# KiCad board Pico Debugger.kicad_pcb (continued)
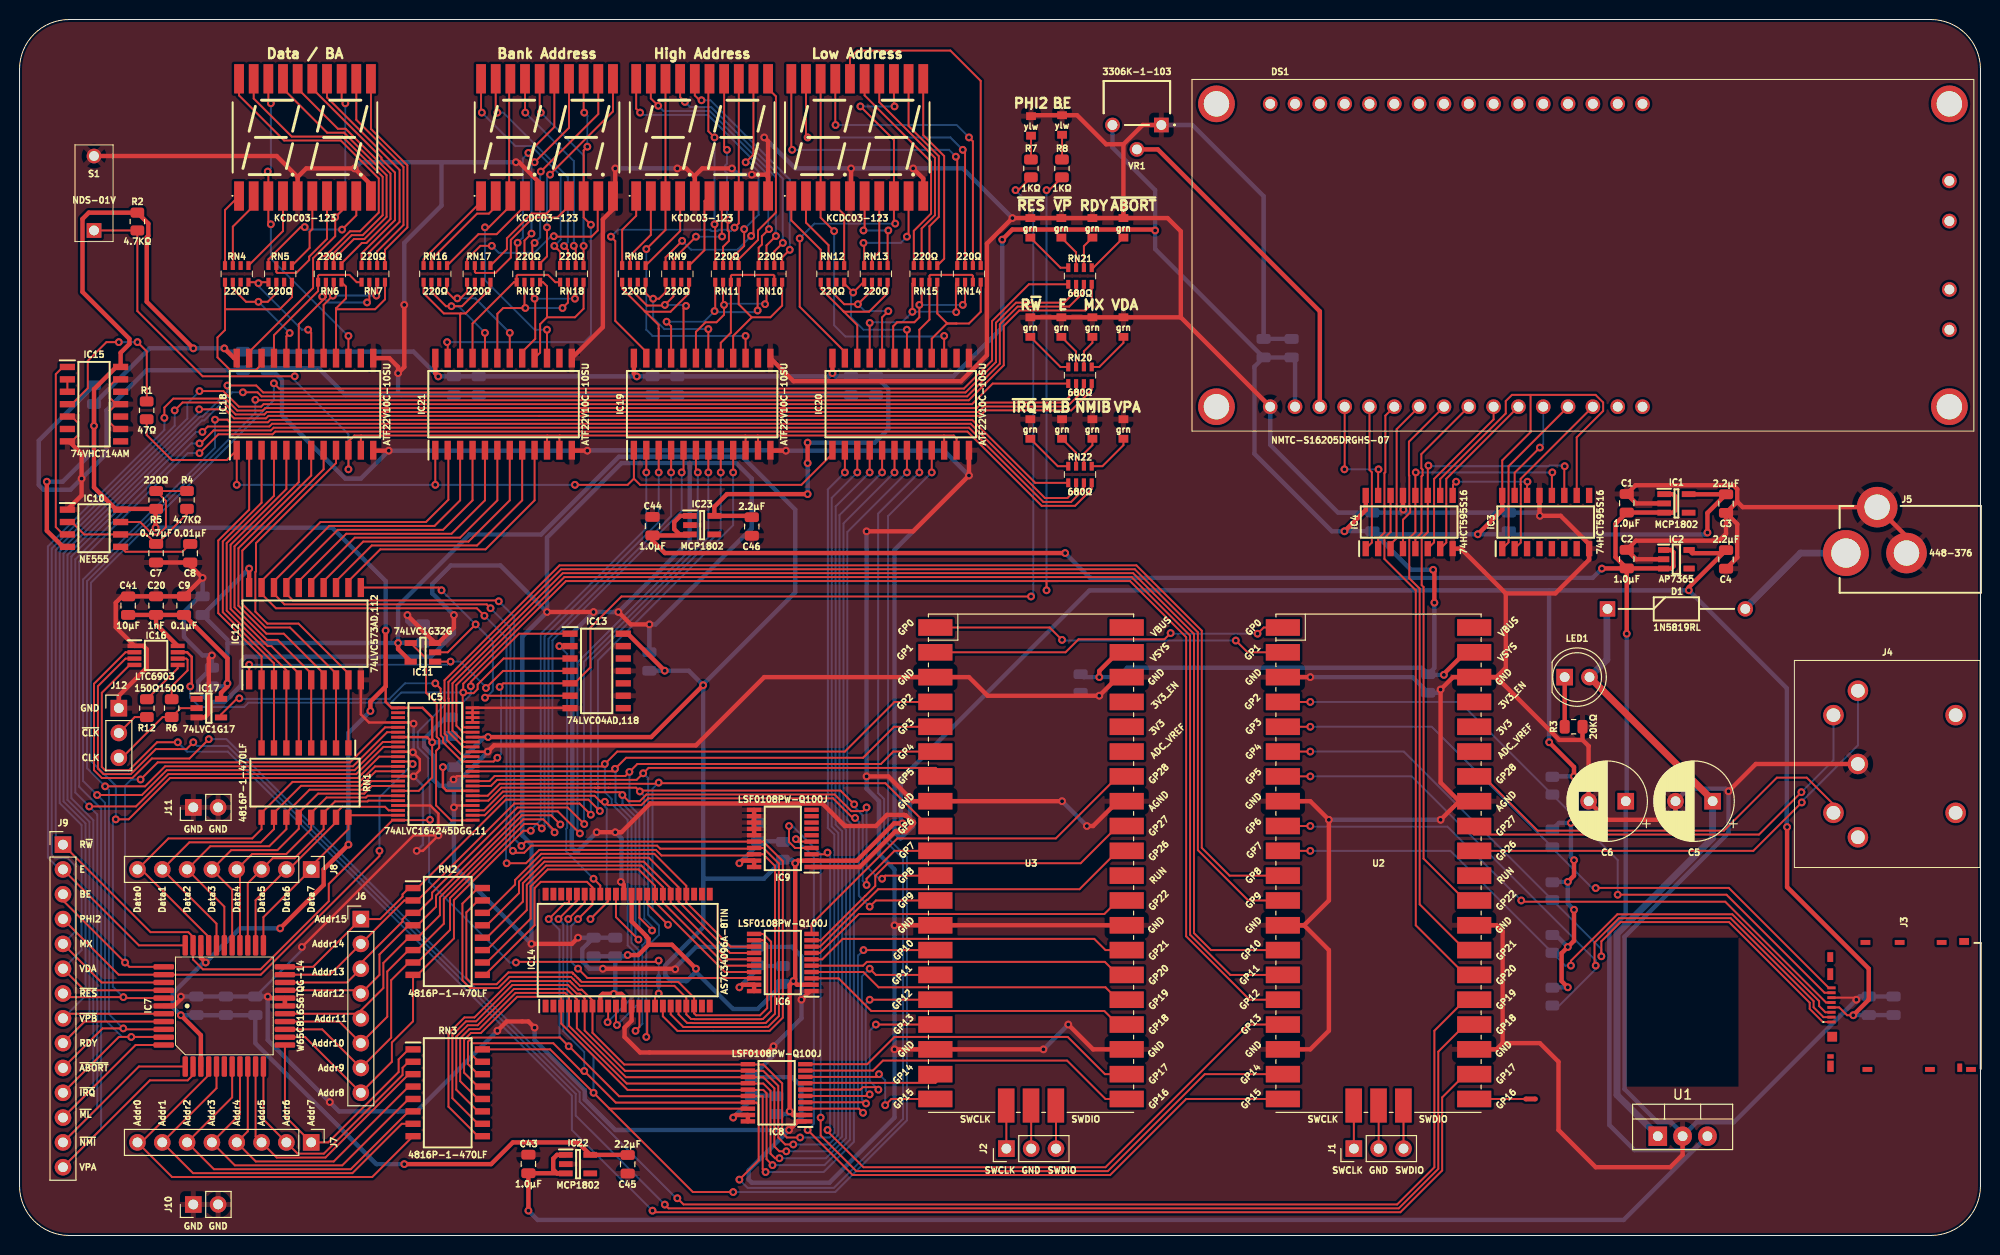
[diagram p0: board, top side]
## Routing (per net, layer and track width the routed paths; a pad name or vN(x,y) marks a point on that pad's centre or on a via; arc(x,y) is an arc through that point) (continued)
  Bottom w0.2: v1(158.12,78.74) 158.05,78.8 156.56,78.8 156.49,78.74 144.24,78.74 v1(144.17,78.8)
/LCD Store Clock: length 67.9
  Top w0.2: U2.27 143.27,33.89 143.27,66.21 142.21,67.27 142.21,71.37 142.83,72 IC4.12 142.83,78.07 v1(142.88,78.11) ; IC3.12 156.81,78.07 v1(156.85,78.11)
  Bottom w0.2: v1(142.88,78.11) v1(156.85,78.11)
/Low Address Display/Digit 0 A Seg: length 14
  Top w0.2: RN14.7 97.55,98.23 97.46,98.32 93.21,98.32 93.11,98.23 RN15.7 93.11,93.75 92.08,92.71 IC20.17
/Low Address Display/Digit 0 B Seg: length 16.8
  Top w0.2: 95.89,93.35 94.93,93.35 93.91,94.37 RN15.8 ; 95.89,93.35 94.9,93.35 93.35,91.79 IC20.16 ; 95.89,93.35 97.15,93.35 98.36,94.55 98.36,97.58
/Low Address Display/Digit 0 C Seg: length 14.6
  Top w0.2: 86.36,97.58 v1(85.3,96.52) 84.39,97.44 ; IC20.18 v1(90.8,92.71)
  Bottom w0.2: v1(90.8,92.71) 86.36,92.71 85.09,93.98 85.09,96.31 v1(85.3,96.52)
/Low Address Display/Digit 0 D Seg: length 15.6
  Top w0.2: IC20.20 88.27,93.98 v1(88.9,94.62) ; RN13.2 87.23,96.76 v1(85.79,95.32) 84.39,95.32 82.78,96.93 RN12.2
  Bottom w0.2: v1(88.9,94.62) 86.5,94.62 v1(85.79,95.32)
/Low Address Display/Digit 0 E Seg: length 15.8
  Top w0.2: RN13.4 88.83,96.45 86.93,94.55 84.36,94.55 84.3,94.62 ; 84.3,94.62 85.72,93.19 85.72,89.8 ; 84.3,94.62 81.98,96.93 RN12.1
/Low Address Display/Digit 0 F Seg: length 16.7
  Top w0.2: 96.76,97.58 96.76,95.49 v1(96.52,95.25) ; RN15.6 92.31,95.49 v1(92.08,95.25) 92.08,93.98 91.57,93.47 89.81,93.47 89.4,93.06 89.4,89.94
  Bottom w0.2: v1(92.08,95.25) v1(96.52,95.25)
/Low Address Display/Digit 0 G Seg: length 19.2
  Top w0.2: RN15.5 91.37,97.43 v1(91.37,94.54) ; IC20.21 v1(87,93.41) ; v1(95.85,94.51) 95.82,94.54 95.82,97.44 RN14.5
  Bottom w0.2: v1(95.85,94.51) 95.81,94.55 91.38,94.55 v1(91.37,94.54) 90.3,93.47 87.06,93.47 v1(87,93.41)
/Low Address Display/Digit L0 Cathode: length 39.8
  Top w0.2: IC20.15 v1(94.61,92.08) ; DS4.18 DS4.3 81.97,104.19 v1(83.36,102.81)
  Bottom w0.2: v1(94.61,92.08) 94.55,92.01 84.52,92.01 83.36,93.17 v1(83.36,102.81)
/Low Address Display/Digit R0 Cathode: length 43.8
  Top w0.2: 84.45,90.44 79.83,95.06 v1(79.83,102.06) ; DS4.13 89.48,115.63 v1(89.54,115.57) ; v1(89.61,103.58) 89.48,103.71 DS4.8 89.48,112.14 v1(86.04,115.57)
  Bottom w0.2: v1(79.83,102.06) 81.34,103.57 89.47,103.57 89.54,103.51 v1(89.61,103.58) ; v1(89.54,115.57) v1(86.04,115.57)
/MX: length 169.6
  Top w0.2: v1(15.88,84.46) 16.68,85.26 20.89,85.26 22.11,84.04 25.05,84.04 25.31,84.29 61.94,84.29 98.12,84.29 98.68,84.85 107.22,84.85 108.92,86.55 RN20.3 ; J9.5 8.39,25.9 14.76,25.9
  Bottom w0.2: J9.5 5.71,31.12 5.71,37.82 4.92,38.61 3.61,38.61 3.3,38.93 3.3,70.31 15.88,82.89 v1(15.88,84.46)
/PHI2: length 148.7
  Top w0.2: v1(22.49,54.98) 22.28,54.98 20.62,53.32 IC17.4 ; v1(48.89,48.9) 48.51,48.51 IC5.37 45.3,48.51 43.34,50.47 43.34,50.95 43.1,51.19 43.1,54.61 43.09,54.63 43.09,55.97 v1(42.55,56.52) ; 56.78,56.52 58.42,58.16 58.42,62.23 61.59,65.41 v1(103.51,65.41) ; 103.51,108.3 102.2,107 v1(101.92,107) ; IC13.5 49.49,56.52 v1(49.13,56.15)
  Bottom w0.2: v1(42.55,56.52) 39.44,56.52 37.85,54.93 22.54,54.93 v1(22.49,54.98) ; v1(103.51,65.41) 103.74,65.64 103.74,105.17 v1(101.92,107) ; v1(49.13,56.15) 49.28,56 49.28,49.28 v1(48.89,48.9)
/PHI2_{W65}: length 52.2
  Top w0.2: v1(40.23,48.26) 39.98,48.51 IC5.12 ; J9.4 10.13,26.7 24.69,26.7 36.83,38.84 v1(36.83,39.37)
  Bottom w0.2: v1(36.83,39.37) 36.83,44.86 v1(40.23,48.26)
/Q7S: length 10.2
  Top w0.2: v1(154.31,77.15) 154.26,77.11 IC3.14 ; v1(147,77.15) 146.69,76.84 146.69,75.79
  Bottom w0.2: v1(154.31,77.15) v1(147,77.15)
/RDY: length 181.9
  Top w0.2: v1(22.85,86.3) 24.35,86.3 24.77,85.89 96.97,85.89 100.32,89.24 100.32,93.26 102.13,95.08 107.41,95.08 108.92,96.59 RN21.3 ; 14.76,21.9 6.66,21.9 J9.9
  Bottom w0.2: v1(22.85,86.3) 21.78,86.3 18.9,83.42 18.67,83.42 4.91,69.66 4.91,44.58 7.15,42.34 7.15,22.39 J9.9
/R~{W}: length 257.5
  Top w0.2: v1(42,42.55) 41.96,42.51 IC5.24 ; RN20.1 99.58,87.2 97.47,85.09 24.98,85.09 24.72,84.84 22.44,84.84 20.85,86.43 v1(18.41,86.43) ; IC13.1 51.1,61.6 46.18,56.67 v1(46.18,56.21) ; J9.1 13.41,31.04 17.27,31.04 17.76,30.56 ; 38.17,42.51 31.64,35.98 31.64,34.22 24.67,27.24 18.76,27.24 17.76,28.25 17.76,29.7 ; v1(65.4,28.13) 65.27,28 57.44,28 57.44,28.01 50.87,28.01 v1(50.8,27.94)
  Bottom w0.2: v1(46.18,56.21) 46.18,55.38 46.1,55.31 46.1,55.29 45.69,54.88 45.67,54.88 45.4,54.61 43.81,54.61 40.75,51.55 40.75,49.95 41.83,48.87 41.83,46.43 41.97,46.29 41.97,42.57 v1(42,42.55) 41.91,42.46 41.91,36.2 50.17,27.94 v1(50.8,27.94) ; v1(65.4,28.13) 65.41,28.13 NT1.1 ; 3.71,40.74 3.71,70.15 17.17,83.61 17.17,85.18 v1(18.41,86.43)
/SD Clk: length 62.7
  Top w0.2: v1(153.67,34.29) 153.8,34.16 174.54,34.16 184.86,23.85 J3.5 ; v1(132.08,41.91) U2.9
  Bottom w0.2: v1(132.08,41.91) 132.14,41.85 146.11,41.85 v1(153.67,34.29)
/SD Cmd: length 67
  Top w0.2: v1(132.08,39.37) 130.18,39.37 ; J3.3 184.79,22.85 184.15,23.49 184.15,23.99 175.26,32.88 163.51,32.88 158.75,28.12 v1(158.75,27.62)
  Bottom w0.2: v1(132.08,39.37) 146.42,39.37 R15.1 158.17,27.62 v1(158.75,27.62)
/SD Dat0: length 69.6
  Top w0.2: J3.7 184.7,24.85 174.67,34.88 v1(163.54,34.88) ; v1(132.08,54.61) U2.4
  Bottom w0.2: v1(132.08,54.61) 147.36,54.61 163.54,38.43 v1(163.54,34.88)
/SD Dat1: length 66
  Top w0.2: v1(161.29,35.56) 161.31,35.58 174.91,35.58 185.14,25.35 ; v1(132.08,52.07) U2.5
  Bottom w0.2: v1(161.29,35.56) 160.94,35.56 156.86,39.64 ; R13.1 144.51,52.07 v1(132.08,52.07)
/SD Dat2: length 71.3
  Top w0.2: J3.1 184.53,21.85 183.19,23.19 183.19,23.82 174.94,32.07 163.84,32.07 161.87,30.1 v1(161.87,28.58) ; v1(132.08,49.53) 130.18,49.53
  Bottom w0.2: v1(161.87,28.58) 161.87,29.32 R17.1 141.65,49.53 v1(132.08,49.53)
/SD Dat3: length 77.7
  Top w0.2: v1(132.08,46.99) U2.7 ; J3.2 184.59,22.35 183.59,23.35 183.59,23.99 175.1,32.48 163.67,32.48 161.17,29.97 161.17,27.75 v1(161.29,27.62)
  Bottom w0.2: v1(132.08,46.99) 142.46,46.99 161.29,28.16 v1(161.29,27.62) 161.29,27.27 157.56,23.54 157.2,23.54
/SPI_{0} CS: length 184.7
  Top w0.2: U2.22 145.58,14.13 145.58,6.65 141.3,2.38 64.93,2.38 v1(64.77,2.54) ; v1(16.19,50.48) 14.07,50.48 11.22,47.63 8.75,47.63 8.42,47.96 8.42,55.55 11.27,58.4
  Bottom w0.2: v1(16.19,50.48) 17.15,49.52 21.32,49.52 56.52,14.32 56.52,10.8 v1(64.77,2.54)
/SPI_{0} RX: length 6.2
  Top w0.2: 147.95,13.97 NT2.1
/SPI_{0} SCK: length 190.7
  Top w0.2: U2.24 145.18,18.81 145.18,6.82 141.14,2.78 66.42,2.78 v1(66.03,3.16) ; IC16.3 10.85,59.05 8.02,56.22 8.02,47.79 8.58,47.23 11.38,47.23 13.94,49.78 17.08,49.78 v1(17.78,50.48)
  Bottom w0.2: v1(66.03,3.16) 56.91,12.28 56.91,14.49 21.3,50.1 18.16,50.1 v1(17.78,50.48)
/SPI_{0} TX: length 193.8
  Top w0.2: IC16.2 10.85,59.7 7.62,56.47 7.62,47.62 8.42,46.83 11.55,46.83 13.54,48.82 17.39,48.82 v1(19.37,50.8) ; v1(67.31,3.81) 67.94,3.18 140.97,3.18 144.78,6.99 144.78,20.96 147.95,24.13
  Bottom w0.2: v1(67.31,3.81) 67.2,3.81 57.31,13.7 57.31,14.66 21.17,50.8 v1(19.37,50.8)
/Tame Clk: length 9.7
  Top w0.2: IC17.2 16.48,53.98 R6.2 14.64,53.06 10.48,48.9
/Tame Data0: length 33.6
  Top w0.2: 23.5,80.38 23.5,74.3 20.33,71.13 20.33,63.7 24.77,59.27 IC12.2 RN1.8
/Tame Data1: length 34.3
  Top w0.2: RN1.7 IC12.3 26.03,58.56 20.8,63.8 20.8,71.03 24.77,75 IC18.3
/Tame Data2: length 35
  Top w0.2: IC18.4 26.03,75.71 21.2,70.87 21.2,63.96 27.3,57.86 IC12.4 RN1.6
/Tame Data3: length 35.3
  Top w0.2: IC18.5 27.3,76.41 21.6,70.7 21.6,64.13 25.4,60.33 25.77,60.33 28.58,57.52 ; 28.58,49.9 28.58,56.87
/Tame Data4: length 36.4
  Top w0.2: IC12.6 RN1.4 ; 28.58,80.38 28.58,77.12 22,70.54 22,64.29 25.33,60.96 26.41,60.96 29.84,57.52
/Tame Data5: length 37.6
  Top w0.2: IC18.7 29.84,77.79 22.4,70.34 22.4,64.46 25.26,61.6 27.04,61.6 31.11,57.52 ; RN1.3 IC12.7
/Tame Data6: length 37.9
  Top w0.2: 31.11,79.61 31.11,78.42 22.8,70.1 22.8,64.67 22.83,64.64 22.83,64.59 25.19,62.23 27.67,62.23 32.39,57.52 ; IC12.8 RN1.2
/Tame Data7: length 38.4
  Top w0.2: 33.66,57.52 28.55,62.63 25.36,62.63 24.13,63.85 24.13,67.91 24.19,67.97 24.19,70.87 32.39,79.06 32.39,79.74 ; 33.66,49.9 33.66,56.87
/UART 1: length 36.7
  Top w0.2: v1(126.68,61.6) 127.32,62.23 130.18,62.23 ; U3.2 107.03,59.69 108.37,61.02 117.16,61.02 v1(117.79,61.66)
  Bottom w0.2: v1(126.68,61.6) 117.86,61.6 v1(117.79,61.66)
/UART 2: length 36.6
  Top w0.2: 94.61,62.23 105.41,62.23 v1(106.68,60.96) ; v1(124.46,60.9) 125.67,59.69 U2.2
  Bottom w0.2: v1(106.68,60.96) 106.74,60.9 v1(124.46,60.9)
/V_{0}: length 35.3
  Top w0.45: DS1.3 133.06,94.59 116.48,111.17 VR1.2
/VDA: length 169.7
  Top w0.2: v1(18.38,84.56) 21.02,84.56 21.95,83.64 25.22,83.64 25.47,83.89 53.16,83.89 98.29,83.89 98.85,84.46 107.62,84.46 109.71,86.55 RN20.4 ; 14.76,25.1 6.66,25.1 J9.6
  Bottom w0.2: J9.6 6.35,29.21 6.35,42.01 4.11,44.25 4.11,69.99 18.38,84.26 v1(18.38,84.56)
/VPA: length 195.4
  Top w0.2: v1(18.41,80.07) 20.34,82 25.89,82 26.17,82.28 97,82.28 104.6,74.68 108.01,74.68 109.71,76.39 RN22.4 ; 17.76,16.43 17.2,15.88 13.34,15.88 J9.14
  Bottom w0.2: v1(18.41,80.07) 17.21,80.07 6.1,68.97 6.1,45.93 8.35,43.69 8.35,10.89 J9.14
/~{ABORT}: length 131
  Top w0.2: IC5.43 45.36,51.51 44.7,52.17 44.7,56.34 55.75,67.39 113.79,67.39 119.78,61.41 119.78,30.79 123.9,26.67 U2.15
/~{ABORT}_{W65}: length 211.4
  Top w0.2: J9.10 8.5,21.2 v1(10.61,21.2) 10.71,21.1 14.76,21.1 ; v1(24.13,85.54) 24.18,85.49 97.13,85.49 100.72,89.07 100.72,93.1 102.3,94.68 109.07,94.68 109.71,95.33 RN21.4 ; IC5.6 37.61,51.51 34.12,48.02 14.9,48.02 12.85,45.97 8.76,45.97 v1(8.76,45.97)
  Bottom w0.2: v1(10.61,21.2) 9.15,22.66 9.15,45.59 v1(8.76,45.97) 6.9,47.83 6.9,66.98 24.13,84.2 v1(24.13,85.54)
/~{BE}: length 38
  Top w0.2: 23.5,56.87 v1(23.5,58.42) ; v1(47.73,56.04) 49.48,57.79 IC13.4 ; 42.53,58.74 v1(44.1,58.74)
  Bottom w0.2: v1(23.5,58.42) 43.79,58.42 v1(44.1,58.74) 45.12,58.74 47.73,56.13 v1(47.73,56.04)
/~{BE}+~{PHI2}: length 22.3
  Top w0.2: IC11.4 41.6,59.06 41.6,55.55 42.69,54.46 42.69,51.04 42.94,50.79 42.94,49.93 42.62,49.61 42.62,44.02 44.16,42.48 46.33,42.48
/~{IRQ}: length 131.8
  Top w0.2: IC5.41 45.48,50.51 44.3,51.68 44.3,56.51 55.59,67.79 113.96,67.79 120.18,61.57 120.18,30.95 121.92,29.21 U2.14
/~{IRQ}_{W65}: length 207.2
  Top w0.2: 14.73,20.32 v1(11.43,20.32) 10.16,20.32 J9.11 ; RN22.1 103.93,77.04 97.49,83.48 25.67,83.48 25.43,83.24 21.54,83.24 21.27,83.5 v1(20,83.5) ; v1(7.94,45.09) 12.52,45.09 15.06,47.62 34.29,47.63 37.17,50.51 IC5.8
  Bottom w0.2: v1(20,83.5) 20,80.64 6.5,67.14 6.5,46.52 v1(7.94,45.09) 8.75,44.28 8.75,22.07 10.5,20.32 v1(11.43,20.32)
/~{LED Enable}: length 119.1
  Top w0.2: 94.58,81.88 95.6,81.88 95.89,81.6 IC20.11 ; 94.58,81.88 75.53,81.88 ; 94.58,81.88 94.61,81.85 IC20.10 ; IC18.11 34.92,81.85 34.96,81.88 ; 55.28,81.88 54.01,81.88 ; 55.28,81.88 74.26,81.88 ; 55.28,81.88 55.25,81.85 IC21.11 ; 54.01,81.88 53.97,81.85 IC21.10 ; 54.01,81.88 34.96,81.88 ; 74.26,81.88 74.3,81.85 IC19.10 ; 74.26,81.88 75.53,81.88 ; v1(33.66,78.42) 33.66,81.28 34.26,81.88 34.96,81.88 ; 75.53,81.88 75.56,81.85 IC19.11 ; v1(28.16,87.94) 18.74,87.94 12.05,94.63 R2.1 S1.1
  Bottom w0.2: v1(33.66,78.42) 33.66,82.02 28.16,87.52 v1(28.16,87.94)
/~{ML}: length 185.7
  Top w0.2: v1(18.71,82.25) 19.27,82.8 25.56,82.8 25.84,83.08 97.33,83.08 104.93,75.48 107.23,75.48 108.11,76.37 RN22.2 ; 14.76,19.5 11.88,19.5 J9.12
  Bottom w0.2: J9.12 7.55,15.17 7.55,42.51 5.3,44.75 5.3,69.49 18.06,82.25 v1(18.71,82.25)
/~{NMI}: length 126.4
  Top w0.2: U2.12 125.73,34.29 120.58,39.44 120.58,61.74 114.12,68.19 55.42,68.19 43.89,56.66 43.89,54.96 43.9,54.94 43.9,51.52 45.41,50.01 IC5.40
/~{NMI}_{W65}: length 225
  Top w0.2: IC5.9 37.24,50.01 34.46,47.23 15.23,47.23 11.92,43.91 v1(7.13,43.91) ; IC7.7 12.21,17.3 J9.13 ; v1(18.41,81.07) 18.53,81.07 19.86,82.4 25.72,82.4 26,82.68 97.16,82.68 104.76,75.08 107.61,75.08 108.92,76.39 RN22.3
  Bottom w0.2: J9.13 7.95,13.03 7.95,43.1 v1(7.13,43.91) 5.7,45.34 5.7,69.2 17.57,81.07 v1(18.41,81.07)
/~{OE}: length 28.3
  Top w0.2: v1(58.74,36.51) 59.43,35.82 IC14.37 ; IC13.2 v1(55.24,60.33)
  Bottom w0.2: v1(55.24,60.33) 56.04,59.53 56.04,41.75 55.94,41.66 55.94,39.31 v1(58.74,36.51)
/~{PHI2}: length 36
  Top w0.2: IC12.11 42.9,66.32 v1(43.18,66.04) ; IC11.2 43.81,59.69 v1(46.67,62.55) ; IC13.6 47.83,55.25 v1(47.63,55.04)
  Bottom w0.2: v1(43.18,66.04) v1(46.67,62.55) 48.43,60.79 48.43,55.75 47.72,55.04 v1(47.63,55.04)
/~{RES}: length 127.3
  Top w0.2: U2.11 123.83,36.83 120.98,39.68 120.98,61.9 114.29,68.59 55.26,68.59 43.49,56.82 43.49,54.79 43.5,54.78 43.5,51.35 43.74,51.12 43.74,50.71 45.44,49.01 IC5.38
/~{RES}_{W65}: length 202
  Top w0.2: v1(9.85,42.59) 11.16,42.59 15.39,46.83 34.62,46.83 36.8,49.01 IC5.11 ; v1(26.02,87.22) 26.56,86.69 96.64,86.69 99.52,89.57 99.52,93.59 103.29,97.36 RN21.1 ; 4.81,24.4 v1(10.63,24.4) 10.73,24.3 14.76,24.3
  Bottom w0.2: v1(26.02,87.22) 26.02,85.5 14.88,74.36 14.85,74.36 7.3,66.81 7.3,48.58 9.85,46.03 v1(9.85,42.59) 9.55,42.29 9.55,25.47 v1(10.63,24.4)
/~{VP}: length 178
  Top w0.2: RN21.2 108.11,96.71 106.88,95.48 101.97,95.48 99.92,93.43 99.92,89.4 96.8,86.29 24.93,86.29 24.22,87 21.28,87 v1(21.27,87) ; 14.76,22.7 4.91,22.7
  Bottom w0.2: J9.8 6.75,24.53 6.75,42.18 4.51,44.42 4.51,69.82 18.5,83.82 18.73,83.82 21.27,86.36 v1(21.27,87)
/~{WE}: length 2.2
  Top w0.2: v1(65.41,24.77) 65.03,24.39 IC14.15
  Bottom w0.2: NT1.2 v1(65.41,24.77)
Net-(C7-Pad1): length 14.4
  Top w0.2: R4.1 17.13,73.85 14.07,70.78 ; C7.1 13,71.76 IC10.6 6.62,71.76 5.34,73.03
Net-(C8-Pad1): length 7.7
  Top w0.2: IC10.5 10.85,69.98 16.66,69.98 C8.1
Net-(C38-Pad1): length 7.8
  Top w0.45: v1(73.66,25.4) 73.92,25.67 IC6.19 IC6.20
  Bottom w0.45: C38.1 75.56,27.31 v1(73.66,25.4) ; R9.2 75.62,27.58
Net-(C39-Pad1): length 7.8
  Top w0.45: IC8.20 IC8.19 73.29,12.33 v1(73.03,12.07)
  Bottom w0.45: v1(73.03,12.07) 74.93,13.97 C39.1 77.42,14.31
Net-(C40-Pad1): length 7.8
  Top w0.45: IC9.20 IC9.19 73.92,38.37 v1(73.66,38.1)
  Bottom w0.45: 78.06,40.34 C40.1 75.56,40.01 v1(73.66,38.1)
Net-(D1-Pad2): length 12.7
  Bottom w0.7: 176.53,64.14 182.25,69.85 J5.A1
Net-(DS2-Pad1): length 7.7
  Top w0.2: DS2.1 21.02,104.96 RN4.8
Net-(DS2-Pad2): length 7
  Top w0.2: 23.96,105.4 21.83,103.26 RN4.7
Net-(DS2-Pad4): length 8.6
  Top w0.2: RN4.5 26.96,102.81 DS2.4
Net-(DS2-Pad6): length 8
  Top w0.2: DS2.6 29.96,103.01 29.68,102.74 29.68,101.08 RN5.5
Net-(DS2-Pad7): length 11.9
  Top w0.2: 26.28,99.28 26.28,98.63 26.37,98.53 28.32,98.53 29.64,99.84 29.64,100.19 31.46,102.01 DS2.7
Net-(DS2-Pad9): length 13.7
  Top w0.2: v1(33,102.96) 34.46,104.42 DS2.9 ; v1(29.18,103.22) 28.77,103.22 25.47,99.93 RN5.8
  Bottom w0.2: v1(29.18,103.22) 29.44,102.96 v1(33,102.96)
Net-(DS2-Pad11): length 21.6
  Top w0.2: RN7.1 37.39,100.9 39.69,103.19 39.69,109.54 35.96,113.27 DS2.11
Net-(DS2-Pad12): length 22.2
  Top w0.2: DS2.12 34.46,114.2 39.29,109.37 39.29,103.42 36.59,100.73 RN7.2
Net-(DS2-Pad14): length 23.5
  Top w0.2: 35.8,99.28 35.8,100.65 38.89,103.75 38.89,109.07 31.46,116.5 DS2.14
Net-(DS2-Pad15): length 23
  Top w0.2: 35,99.28 35,100.51 38.42,103.93 38.42,108.8 37.03,110.18 37.03,110.32 29.96,117.4
Net-(DS2-Pad16): length 24.6
  Top w0.2: 32.95,99.51 35.03,101.59 35.5,101.59 37.96,104.04 37.96,108.69 33.37,113.28 32.58,113.28 28.46,117.4
Net-(DS2-Pad17): length 26.4
  Top w0.2: RN6.2 32.15,99.93 34.21,101.99 35.28,101.99 37.56,104.26 37.56,108.53 33.21,112.88 31.48,112.88 26.96,117.4
Net-(DS2-Pad19): length 30.7
  Top w0.2: RN6.3 31.35,99.75 33.99,102.39 35.12,102.39 37.16,104.43 37.16,108.36 33.04,112.48 27.86,112.48 23.96,116.38 DS2.19
Net-(DS2-Pad20): length 31.8
  Top w0.2: DS2.20 22.46,116.7 27.08,112.08 32.88,112.08 36.76,108.19 36.76,104.7 34.84,102.79 33.82,102.79 31.28,100.25 30.96,100.25 30.55,99.84 RN6.4
Net-(DS3-Pad1): length 7.7
  Top w0.2: RN8.8 61.67,102.94 63.1,104.38 DS3.1
Net-(DS3-Pad2): length 8
  Top w0.2: DS3.2 64.6,102.42 62.47,100.28 RN8.7
Net-(DS3-Pad4): length 8.6
  Top w0.2: RN8.5 67.6,102.81 DS3.4
Net-(DS3-Pad6): length 8
  Top w0.2: DS3.6 70.09,105.88 70.09,100.85 RN9.5
Net-(DS3-Pad7): length 10.5
  Top w0.2: 71.86,106.16 71.86,102.28 v1(71.89,102.25) ; v1(69.22,102.24) 69.22,102.23 66.91,99.93 RN9.7
  Bottom w0.2: v1(69.22,102.24) 71.87,102.24 v1(71.89,102.25)
Net-(DS3-Pad9): length 15.4
  Top w0.2: v1(67.8,101.81) 66.11,100.11 RN9.8 ; DS3.9 75.1,102.54 v1(74.87,102.31)
  Bottom w0.2: v1(74.87,102.31) 73.46,100.9 68.71,100.9 v1(67.8,101.81)
Net-(DS3-Pad11): length 20
  Top w0.2: RN11.1 73.59,99.93 75.56,101.9 75.56,102.87 77.4,104.7 77.4,116.6 76.6,117.4
Net-(DS3-Pad12): length 21.4
  Top w0.2: DS3.12 75.1,110.65 v1(74.3,109.85) ; RN11.2 72.79,99.93 74.15,101.28 v1(74.15,103)
  Bottom w0.2: v1(74.15,103) 75.63,104.49 75.63,108.87 74.65,109.85 v1(74.3,109.85)
Net-(DS3-Pad14): length 19.8
  Top w0.2: v1(72.56,103.96) 72.46,103.86 72.46,102.87 72.59,102.75 72.59,101.8 71.99,101.2 RN11.3 ; v1(72.39,111.13) 72.1,111.42 DS3.14
  Bottom w0.2: v1(72.56,103.96) 72.39,104.13 72.39,108.74 72.2,108.93 72.2,109.51 72.39,109.7 v1(72.39,111.13)
Net-(DS3-Pad15): length 19.3
  Top w0.2: RN11.4 71.19,103.44 v1(71.12,103.51) ; 70.48,118.28 70.48,113.03 v1(71.12,112.4)
  Bottom w0.2: v1(71.12,103.51) v1(71.12,112.4)
Net-(DS3-Pad16): length 24.1
  Top w0.2: RN10.1 78.03,100.11 v1(78.81,100.89) ; v1(69.79,116.2) 69.6,116.2 69.1,116.7 DS3.16
  Bottom w0.2: v1(78.81,100.89) 78.81,108.09 70.71,116.2 v1(69.79,116.2)
Net-(DS3-Pad17): length 25.1
  Top w0.2: RN10.2 77.23,100.72 v1(78.11,101.6) ; DS3.17 67.6,116.52 v1(68.09,116.03)
  Bottom w0.2: v1(78.11,101.6) 78.04,101.67 78.04,101.95 78.1,102.01 78.1,108.17 70.78,115.5 68.62,115.5 v1(68.09,116.03)
Net-(DS3-Pad19): length 27.6
  Top w0.2: 76.44,99.28 76.44,101.34 v1(77.4,102.3) ; DS3.19 64.6,116.39 v1(65.35,115.63)
  Bottom w0.2: v1(65.35,115.63) 65.89,115.1 70.61,115.1 77.39,108.31 77.39,102.72 77.33,102.66 77.33,102.38 v1(77.4,102.3)
Net-(DS3-Pad20): length 29.1
  Top w0.2: v1(76.69,103.01) 75.96,102.28 75.96,101.43 75.64,101.11 75.64,99.28 ; v1(63.5,114.94) 63.1,115.34 DS3.20
  Bottom w0.2: v1(76.69,103.01) 76.62,103.08 76.62,108.52 70.45,114.7 63.74,114.7 v1(63.5,114.94)
Net-(DS4-Pad1): length 8.4
  Top w0.2: RN12.8 81.98,100.9 78.97,103.91 DS4.1
Net-(DS4-Pad2): length 8.1
  Top w0.2: DS4.2 80.47,103.68 82.78,101.37 RN12.7
Net-(DS4-Pad4): length 6.5
  Top w0.2: 83.47,105.4 84.39,104.49 RN12.5
Net-(DS4-Pad6): length 9.7
  Top w0.2: DS4.6 86.47,102.99 v1(86.36,102.87) ; RN13.5 88.83,102.8 v1(88.9,102.87)
  Bottom w0.2: v1(88.9,102.87) v1(86.36,102.87)
Net-(DS4-Pad7): length 7.4
  Top w0.2: DS4.7 87.98,100.67 87.23,99.93 RN13.7
Net-(DS4-Pad9): length 11.3
  Top w0.2: RN13.8 86.43,101.53 v1(86.36,101.6) ; v1(90.8,102.24) 90.98,102.41 DS4.9
  Bottom w0.2: v1(90.8,102.24) 90.17,101.6 v1(86.36,101.6)
Net-(DS4-Pad11): length 20.3
  Top w0.2: RN15.1 94.61,99.98 94.61,110.49 92.48,112.63 DS4.11
Net-(DS4-Pad12): length 20.8
  Top w0.2: RN15.2 93.11,103.3 94.07,104.26 94.07,110.47 90.98,113.57 DS4.12
Net-(DS4-Pad14): length 22
  Top w0.2: DS4.14 87.98,116 93.67,110.3 93.67,104.43 92.31,103.07 RN15.3
Net-(DS4-Pad15): length 22.7
  Top w0.2: RN15.4 91.51,102.83 93.27,104.6 93.27,109.9 86.47,116.7 DS4.15
Net-(DS4-Pad16): length 36
  Top w0.2: DS4.16 84.97,120.54 85.72,121.29 95.25,121.29 98.36,118.18 98.36,99.28
Net-(DS4-Pad17): length 32.2
  Top w0.2: v1(83.5,113.67) 83.47,113.69 DS4.17 ; RN14.2 97.55,112 v1(97.15,112.4)
  Bottom w0.2: v1(97.15,112.4) 95.89,113.67 v1(83.5,113.67)
Net-(DS4-Pad19): length 34.4
  Top w0.2: DS4.19 80.47,112.57 v1(80.65,112.4) ; v1(96.52,111.13) 96.76,110.89 96.76,99.28
  Bottom w0.2: v1(80.65,112.4) 95.25,112.4 v1(96.52,111.13)
Net-(DS4-Pad20): length 35.6
  Top w0.2: v1(79.06,111.13) 78.97,111.21 DS4.20 ; v1(95.81,110.42) 95.95,110.28 RN14.4
  Bottom w0.2: v1(95.81,110.42) 95.11,111.13 v1(79.06,111.13)
Net-(DS5-Pad1): length 9
  Top w0.2: 47.22,105.81 41.34,99.93 RN16.8
Net-(DS5-Pad2): length 9.5
  Top w0.2: 48.72,105.3 48.02,104.6 46.82,104.6 42.14,99.93 RN16.7
Net-(DS5-Pad4): length 10.5
  Top w0.2: 51.72,105.4 48.82,102.49 46.96,102.49 RN16.5
Net-(DS5-Pad6): length 9.7
  Top w0.2: 54.72,105.4 53.93,104.6 52.4,104.6 49.87,102.07 49.87,100.96 RN17.5
Net-(DS5-Pad7): length 14.2
  Top w0.2: RN17.7 46.59,98.63 46.69,98.53 48.7,98.53 50.27,100.09 50.27,101.9 52.56,104.2 55.03,104.2 56.22,105.4
Net-(DS5-Pad9): length 19.3
  Top w0.2: v1(54.67,102.28) 54.72,102.24 58.53,102.24 59.17,102.87 59.17,106.34 ; RN17.8 45.79,99.93 47.16,101.29 v1(48.32,101.29)
  Bottom w0.2: v1(48.32,101.29) 49.04,100.58 52.68,100.58 54.38,102.28 v1(54.67,102.28)
Net-(DS5-Pad11): length 22
  Top w0.2: DS5.11 60.72,115.05 54.29,108.62 v1(54.29,108.59) ; 53.27,99.51 53.97,100.22 53.97,102.57 53.97,102.58 v1(53.97,103.19)
  Bottom w0.2: v1(54.29,108.59) 53.97,108.27 v1(53.97,103.19)
Net-(DS5-Pad12): length 21.9
  Top w0.2: v1(52.7,101.6) 52.47,101.37 RN19.2 ; v1(53.34,108.9) 59.22,114.79 DS5.12
  Bottom w0.2: v1(53.34,108.9) 53.28,108.84 53.28,102.17 v1(52.7,101.6)
Net-(DS5-Pad14): length 21
  Top w0.2: v1(52.7,109.86) 56.22,113.38 DS5.14 ; v1(52.39,102.55) 51.67,101.84 RN19.3
  Bottom w0.2: v1(52.7,109.86) 52.39,109.54 v1(52.39,102.55)
Net-(DS5-Pad15): length 20.7
  Top w0.2: v1(50.97,101.61) 50.87,101.51 RN19.4 ; v1(52.07,110.81) 54.72,113.46 DS5.15
  Bottom w0.2: v1(52.07,110.81) 51.5,110.24 51.5,102.14 v1(50.97,101.61)
Net-(DS5-Pad16): length 21
  Top w0.2: v1(53.34,114.94) 53.22,115.05 DS5.16 ; RN18.1 57.72,101.28 v1(57.72,101.28)
  Bottom w0.2: v1(57.72,101.28) 57.72,110.55 v1(53.34,114.94)
Net-(DS5-Pad17): length 21.3
  Top w0.2: v1(51.75,114.94) 51.72,114.96 DS5.17 ; RN18.2 56.92,101.1 v1(56.72,101.3)
  Bottom w0.2: v1(56.72,101.3) 56.72,109.97 v1(51.75,114.94)
Net-(DS5-Pad19): length 22.8
  Top w0.2: v1(55.72,101.27) 56.11,100.88 RN18.3 ; DS5.19 48.72,115.11 v1(48.89,114.94)
  Bottom w0.2: v1(55.72,101.27) 56.1,101.66 56.1,108.33 49.5,114.94 v1(48.89,114.94)
Net-(DS5-Pad20): length 24
  Top w0.2: DS5.20 47.22,115.02 v1(47.31,114.94) ; RN18.4 55.31,100.69 55.02,100.99 55.02,100.99 v1(54.72,101.29)
  Bottom w0.2: v1(54.72,101.29) 55.37,101.94 55.37,108.49 52.36,111.51 50.74,111.51 v1(47.31,114.94)
Net-(IC10-Pad3): length 17.8
  Top w0.2: 4.45,88.9 3.71,88.16 3.71,72.51 4.47,71.76
Net-(IC10-Pad7): length 12.3
  Top w0.2: R4.2 R5.1 ; 10.8,73.03 12.35,73.03 13.63,71.74 14.21,71.74 14.98,72.51 14.98,75.19 13.97,76.2
Net-(IC15-Pad2): length 1.3
  Top w0.2: IC15.2 IC15.3
Net-(IC15-Pad4): length 17.5
  Top w0.2: 5.34,85.09 6.98,86.73 6.98,89.54 8.89,91.44 v1(10.16,91.44) ; 13.02,85.38 13.02,90.49 v1(12.06,91.44)
  Bottom w0.2: v1(10.16,91.44) v1(12.06,91.44)
Net-(IC16-Pad5): length 4.8
  Top w0.2: R12.1 16.18,58.04 IC16.5
Net-(J1-Pad1): length 5.3
  Top w0.2: J1.1 136.54,14.19
Net-(J1-Pad2): length 5.3
  Top w0.2: J1.2 139.08,14.19
Net-(J1-Pad3): length 5.3
  Top w0.2: J1.3 141.62,14.19
Net-(J2-Pad1): length 5.3
  Top w0.2: J2.1 100.98,14.19
Net-(J2-Pad2): length 5.3
  Top w0.2: J2.2 103.52,14.19
Net-(J2-Pad3): length 5.3
  Top w0.2: J2.3 106.06,14.19
Net-(J12-Pad2): length 3.5
  Top w0.2: R12.2 11.79,53.06 J12.2
Net-(LED1-Pad1): length 5.1
  Top w0.45: LED1.1 R3.2
Net-(LED2-Pad2): length 2.4
  Top w0.2: 103.51,110.14 LED2.2
Net-(LED3-Pad2): length 2.5
  Top w0.2: 106.68,110.14 LED3.2
Net-(LED4-Pad2): length 5.2
  Top w0.2: RN20.8 106.52,88.9 LED4.2
Net-(LED5-Pad2): length 3.7
  Top w0.2: RN20.7 108.11,90.48 LED5.2
Net-(LED6-Pad2): length 3.4
  Top w0.2: LED6.2 109.79,91.37 108.92,90.5 RN20.6
Net-(LED7-Pad2): length 4.9
  Top w0.2: RN20.5 110.49,88.9 112.96,91.37 LED7.2
Net-(LED8-Pad2): length 5.2
  Top w0.2: LED8.2 106.52,99.06 RN21.8
Net-(LED9-Pad2): length 3.7
  Top w0.2: LED9.2 108.11,100.64 RN21.7
Net-(LED10-Pad2): length 3.4
  Top w0.2: RN21.6 108.92,101.27 LED10.2
Net-(LED11-Pad2): length 4.5
  Top w0.2: RN21.5 109.88,99.06 LED11.2
Net-(LED12-Pad2): length 5
  Top w0.2: RN22.8 106.24,78.74 LED12.2
Net-(LED13-Pad2): length 3.4
  Top w0.2: LED13.2 108.11,80.12 RN22.7
Net-(LED14-Pad2): length 3.2
  Top w0.2: LED14.2 109.79,80.89 108.92,80.02 RN22.6
Net-(LED15-Pad2): length 4.8
  Top w0.2: LED15.2 112.96,80.89 110.81,78.74 RN22.5

## Copper pours and planes (outline as drawn; the poured copper is in the pictures)
/GND on Top, Bottom: 200.66,0 0,0 0,124.46 200.66,124.46

## Text on the board
F.Silkscreen: R~{W} | E | BE | PHI2 | MX | VDA | ~{RES} | ~{VPB} | RDY | ~{ABORT} | ~{IRQ} | ~{ML} | ~{NMI} | VPA | GND | SWCLK | SWDIO | ~{CLK} | CLK | Addr14 | Addr13 | Addr12 | Addr10 | Addr9 | Addr8 | Addr15 | Addr11 | Addr0 | Addr1 | Addr2 | Addr3 | Addr4 | Addr5 | Addr6 | Addr7 | Data0 | Data1 | Data2 | Data3 | Data4 | Data5 | Data6 | Data7 | Data / BA | Bank Address | High Address | Low Address | ~{MLB} | ~{VP} | ~{NMIB}
